# Altium PCB Tag201_GangProgrammerRev2.PcbDoc (part 6 of 7) (continued)
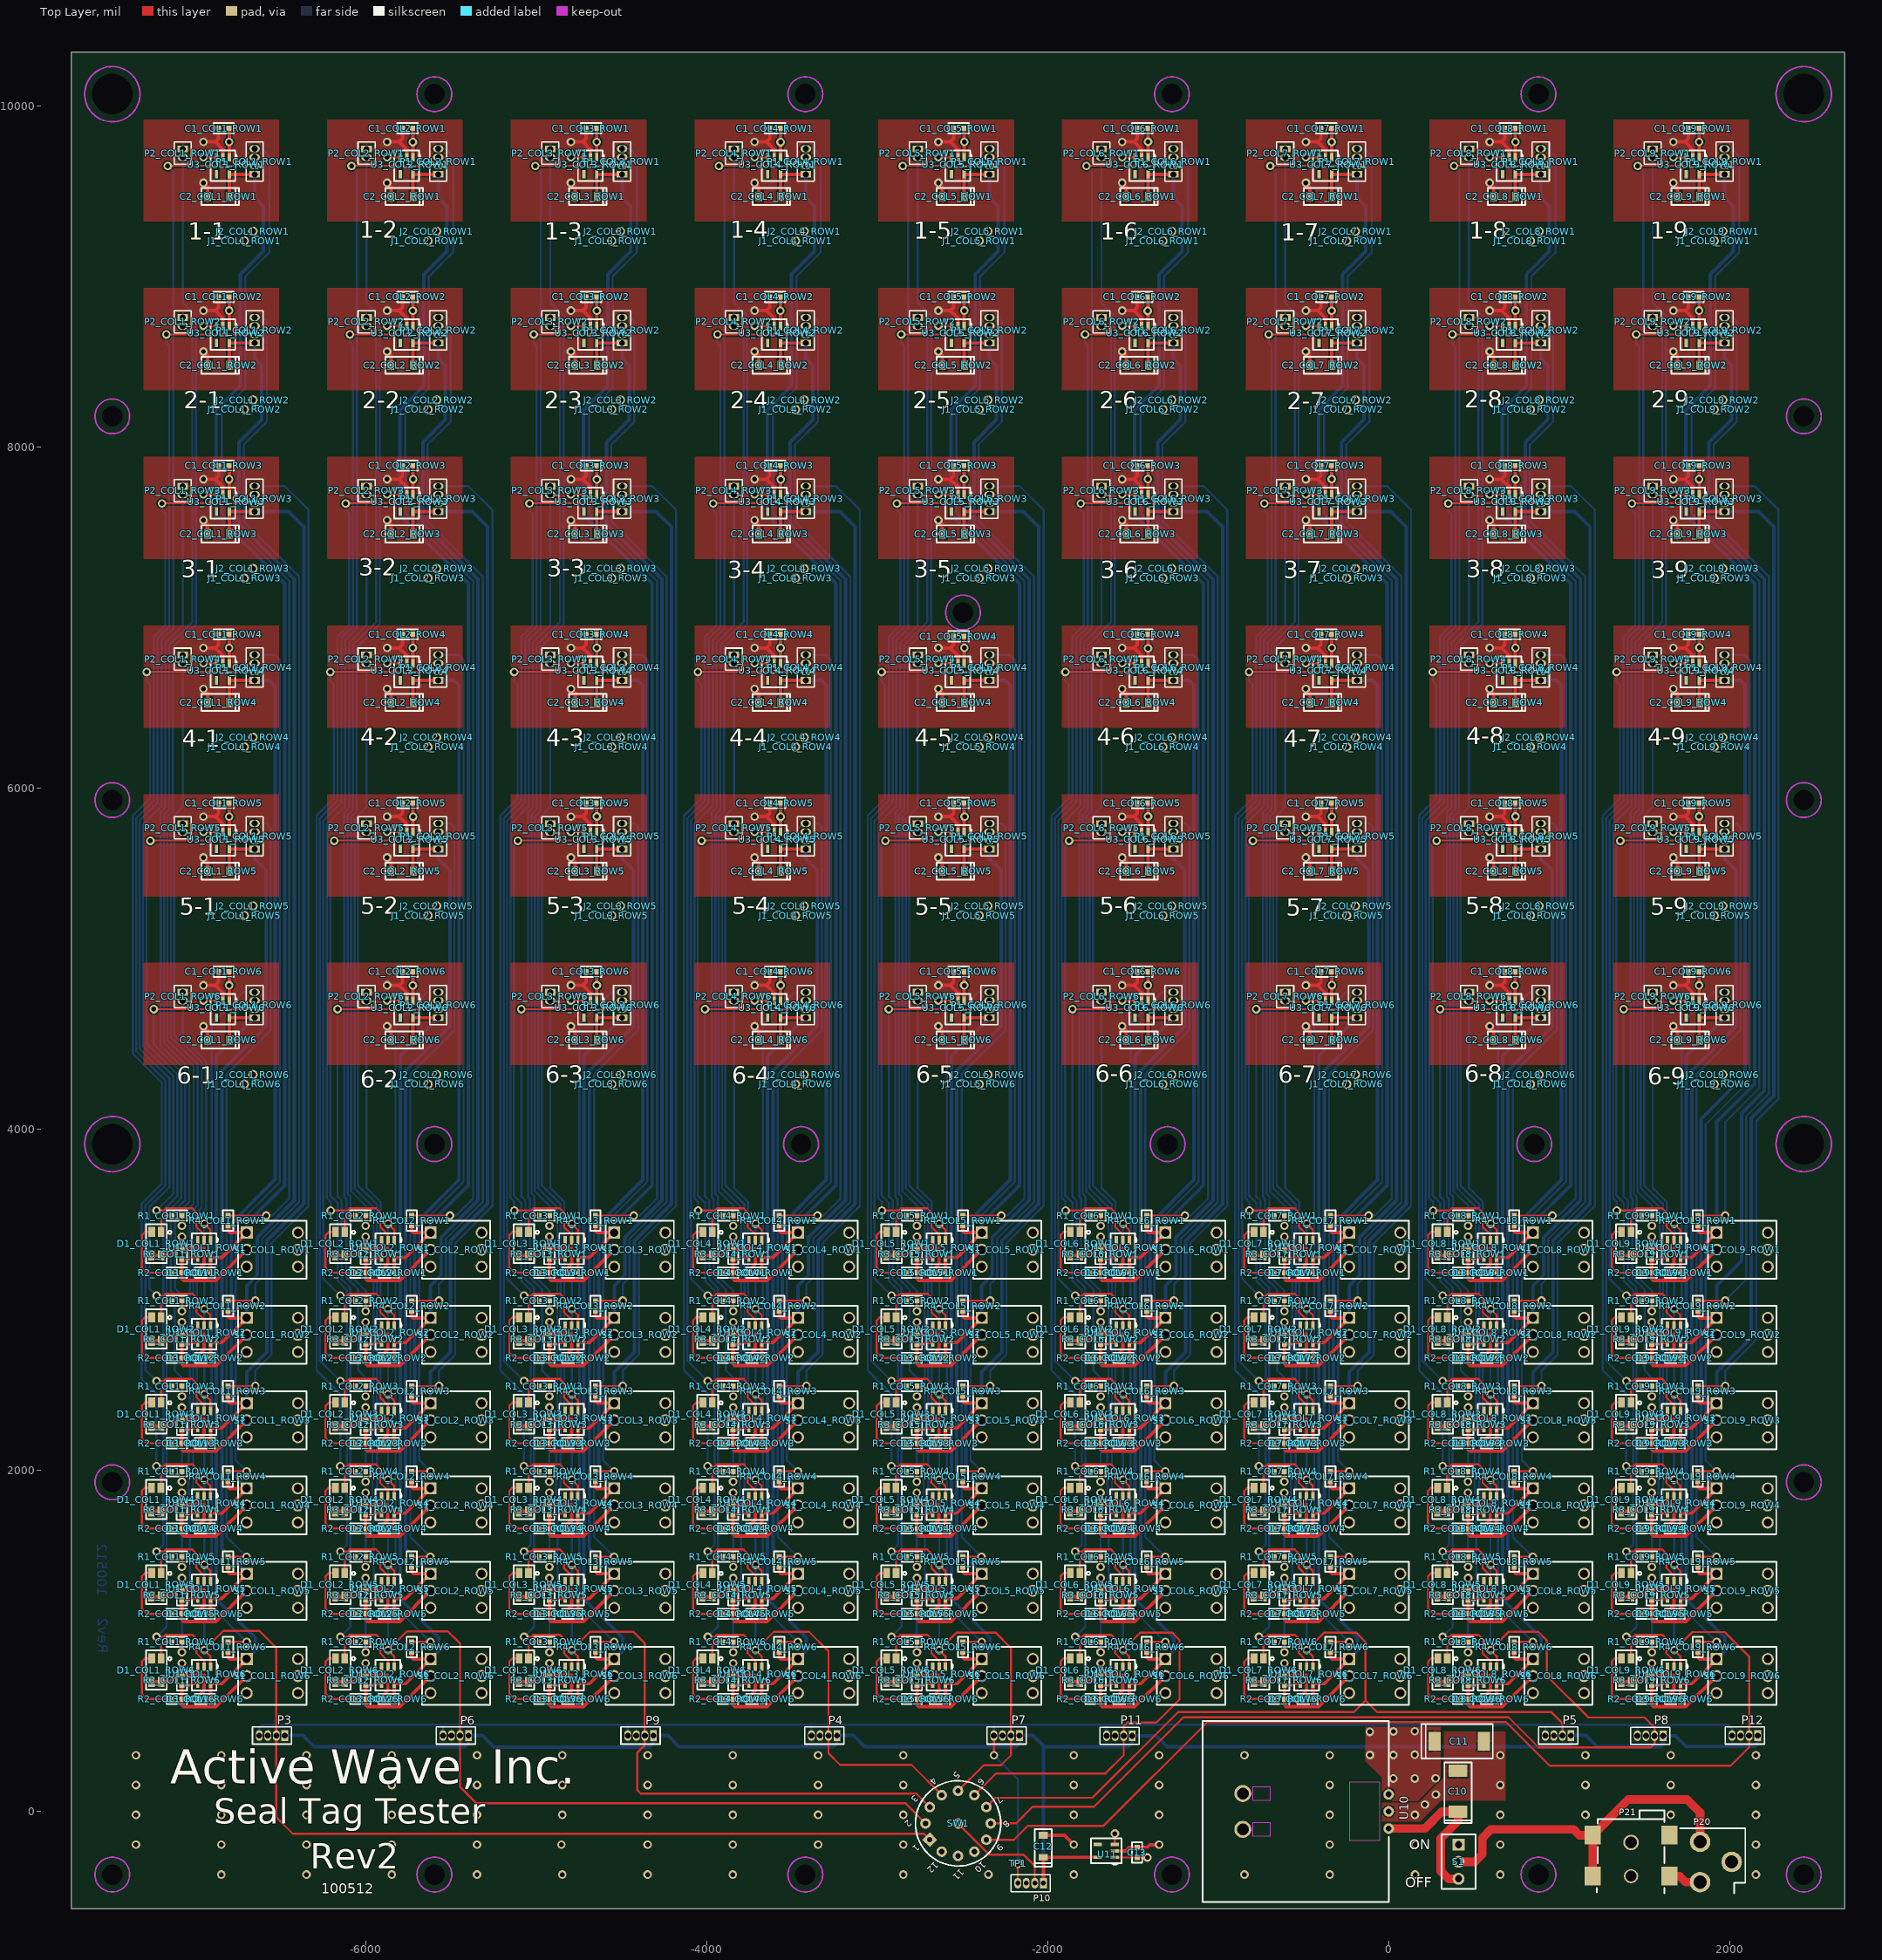
[diagram p0: Top Layer view]
## Nets (pads, with @x,y where several pads share a name; then routed paths per layer and width w, separated by ;. In a path a pad name is that pad's centre, name@x,y a point inside that pad or via, vN(x,y) a via of type N, cw(c..) or ccw(c..) an arc to the next point about the centre after c; other vN are vias at no path point) (continued)
  Top Layer w12: v1(-2766.5,2434) R1_COL5_ROW3.2@-2766.5,2494
  Bottom Layer w12: v1(-2766.5,2434) -2766.5,2543 -2809.5,2586 -2809.5,3061 -2880,3131.5 -2880,3592 -2891.5,3603.5 -2891.5,5858 -2863.5,5886 -2863.5,6853 -2761.5,6955 P2_COL5_ROW3.2@-2761.5,7720
TEST_COL5_ROW4: P2_COL5_ROW4.2 R1_COL5_ROW4.2 | length 4951.2
  Top Layer w12: v1(-2767,1934) R1_COL5_ROW4.2@-2767,1994
  Bottom Layer w12: v1(-2767,1934) -2767,2281.5 -2720.5,2328 -2720.5,3543 -2831.5,3654 -2831.5,5820 -2761.5,5890 P2_COL5_ROW4.2@-2761.5,6731
TEST_COL5_ROW5: P2_COL5_ROW5.2 R1_COL5_ROW5.2 | length 4462
  Top Layer w12: v1(-2766.5,1434) R1_COL5_ROW5.2@-2766.5,1494
  Bottom Layer w12: v1(-2766.5,1434) -2766.5,1802 -2727.5,1841 -2727.5,2282 -2700.5,2309 -2700.5,3560 -2811.5,3671 -2811.5,5692 P2_COL5_ROW5.2@-2761.5,5742
TEST_COL5_ROW6: P2_COL5_ROW6.2 R1_COL5_ROW6.2 | length 3949
  Top Layer w12: v1(-2766.5,934) R1_COL5_ROW6.2@-2766.5,994
  Bottom Layer w12: v1(-2766.5,934) -2766.5,1282 -2719.5,1329 -2719.5,1807 -2700.5,1826 -2700.5,2268 -2679.5,2289 -2679.5,3575 -2761.5,3657 P2_COL5_ROW6.2@-2761.5,4753
TEST_COL6_ROW1: P2_COL6_ROW1.2 R1_COL6_ROW1.2 | length 6461.1
  Top Layer w12: v1(-1689,3434) R1_COL6_ROW1.2@-1689,3494
  Bottom Layer w12: v1(-1689,3434) -1689,3551.5 -1774,3636.5 -1774,5833 -1742,5865 -1742,6825 -1606,6961 -1606,8769 -1684,8847 P2_COL6_ROW1.2@-1684,9698
TEST_COL6_ROW2: P2_COL6_ROW2.2 R1_COL6_ROW2.2 | length 5970.4
  Top Layer w12: v1(-1689,2934) R1_COL6_ROW2.2@-1689,2994
  Bottom Layer w12: v1(-1689,2934) -1689,3053.5 -1777.5,3142 -1777.5,3605 -1794,3621.5 -1794,5845 -1764,5875 -1764,6839 -1628,6975 -1628,8653 P2_COL6_ROW2.2@-1684,8709
TEST_COL6_ROW3: P2_COL6_ROW3.2 R1_COL6_ROW3.2 | length 5451.6
  Top Layer w12: v1(-1689,2434) R1_COL6_ROW3.2@-1689,2494
  Bottom Layer w12: v1(-1689,2434) -1689,2543 -1732,2586 -1732,3061 -1802.5,3131.5 -1802.5,3592 -1814,3603.5 -1814,5858 -1786,5886 -1786,6853 -1684,6955 P2_COL6_ROW3.2@-1684,7720
TEST_COL6_ROW4: P2_COL6_ROW4.2 R1_COL6_ROW4.2 | length 4951.2
  Top Layer w12: v1(-1689.5,1934) R1_COL6_ROW4.2@-1689.5,1994
  Bottom Layer w12: v1(-1689.5,1934) -1689.5,2281.5 -1643,2328 -1643,3543 -1754,3654 -1754,5820 -1684,5890 P2_COL6_ROW4.2@-1684,6731
TEST_COL6_ROW5: P2_COL6_ROW5.2 R1_COL6_ROW5.2 | length 4462
  Top Layer w12: v1(-1689,1434) R1_COL6_ROW5.2@-1689,1494
  Bottom Layer w12: v1(-1689,1434) -1689,1802 -1650,1841 -1650,2282 -1623,2309 -1623,3560 -1734,3671 -1734,5692 P2_COL6_ROW5.2@-1684,5742
TEST_COL6_ROW6: P2_COL6_ROW6.2 R1_COL6_ROW6.2 | length 3949
  Top Layer w12: v1(-1689,934) R1_COL6_ROW6.2@-1689,994
  Bottom Layer w12: v1(-1689,934) -1689,1282 -1642,1329 -1642,1807 -1623,1826 -1623,2268 -1602,2289 -1602,3575 -1684,3657 P2_COL6_ROW6.2@-1684,4753
TEST_COL7_ROW1: P2_COL7_ROW1.2 R1_COL7_ROW1.2 | length 6461.1
  Top Layer w12: v1(-611.5,3434) R1_COL7_ROW1.2@-611.5,3494
  Bottom Layer w12: v1(-611.5,3434) -611.5,3551.5 -696.5,3636.5 -696.5,5833 -664.5,5865 -664.5,6825 -528.5,6961 -528.5,8769 -606.5,8847 P2_COL7_ROW1.2@-606.5,9698
TEST_COL7_ROW2: P2_COL7_ROW2.2 R1_COL7_ROW2.2 | length 5970.4
  Top Layer w12: v1(-611.5,2934) R1_COL7_ROW2.2@-611.5,2994
  Bottom Layer w12: v1(-611.5,2934) -611.5,3053.5 -700,3142 -700,3605 -716.5,3621.5 -716.5,5845 -686.5,5875 -686.5,6839 -550.5,6975 -550.5,8653 P2_COL7_ROW2.2@-606.5,8709
TEST_COL7_ROW3: P2_COL7_ROW3.2 R1_COL7_ROW3.2 | length 5451.6
  Top Layer w12: v1(-611.5,2434) R1_COL7_ROW3.2@-611.5,2494
  Bottom Layer w12: v1(-611.5,2434) -611.5,2543 -654.5,2586 -654.5,3061 -725,3131.5 -725,3592 -736.5,3603.5 -736.5,5858 -708.5,5886 -708.5,6853 -606.5,6955 P2_COL7_ROW3.2@-606.5,7720
TEST_COL7_ROW4: P2_COL7_ROW4.2 R1_COL7_ROW4.2 | length 4951.2
  Top Layer w12: v1(-612,1934) R1_COL7_ROW4.2@-612,1994
  Bottom Layer w12: v1(-612,1934) -612,2281.5 -565.5,2328 -565.5,3543 -676.5,3654 -676.5,5820 -606.5,5890 P2_COL7_ROW4.2@-606.5,6731
TEST_COL7_ROW5: P2_COL7_ROW5.2 R1_COL7_ROW5.2 | length 4462
  Top Layer w12: v1(-611.5,1434) R1_COL7_ROW5.2@-611.5,1494
  Bottom Layer w12: v1(-611.5,1434) -611.5,1802 -572.5,1841 -572.5,2282 -545.5,2309 -545.5,3560 -656.5,3671 -656.5,5692 P2_COL7_ROW5.2@-606.5,5742
TEST_COL7_ROW6: P2_COL7_ROW6.2 R1_COL7_ROW6.2 | length 3949
  Top Layer w12: v1(-611.5,934) R1_COL7_ROW6.2@-611.5,994
  Bottom Layer w12: v1(-611.5,934) -611.5,1282 -564.5,1329 -564.5,1807 -545.5,1826 -545.5,2268 -524.5,2289 -524.5,3575 -606.5,3657 P2_COL7_ROW6.2@-606.5,4753
TEST_COL8_ROW1: P2_COL8_ROW1.2 R1_COL8_ROW1.2 | length 6461.1
  Top Layer w12: v1(466,3434) R1_COL8_ROW1.2@466,3494
  Bottom Layer w12: v1(466,3434) 466,3551.5 381,3636.5 381,5833 413,5865 413,6825 549,6961 549,8769 471,8847 P2_COL8_ROW1.2@471,9698
TEST_COL8_ROW2: P2_COL8_ROW2.2 R1_COL8_ROW2.2 | length 5970.4
  Top Layer w12: v1(466,2934) R1_COL8_ROW2.2@466,2994
  Bottom Layer w12: v1(466,2934) 466,3053.5 377.5,3142 377.5,3605 361,3621.5 361,5845 391,5875 391,6839 527,6975 527,8653 P2_COL8_ROW2.2@471,8709
TEST_COL8_ROW3: P2_COL8_ROW3.2 R1_COL8_ROW3.2 | length 5451.6
  Top Layer w12: v1(466,2434) R1_COL8_ROW3.2@466,2494
  Bottom Layer w12: v1(466,2434) 466,2543 423,2586 423,3061 352.5,3131.5 352.5,3592 341,3603.5 341,5858 369,5886 369,6853 471,6955 P2_COL8_ROW3.2@471,7720
TEST_COL8_ROW4: P2_COL8_ROW4.2 R1_COL8_ROW4.2 | length 4951.2
  Top Layer w12: v1(465.5,1934) R1_COL8_ROW4.2@465.5,1994
  Bottom Layer w12: v1(465.5,1934) 465.5,2281.5 512,2328 512,3543 401,3654 401,5820 471,5890 P2_COL8_ROW4.2@471,6731
TEST_COL8_ROW5: P2_COL8_ROW5.2 R1_COL8_ROW5.2 | length 4462
  Top Layer w12: v1(466,1434) R1_COL8_ROW5.2@466,1494
  Bottom Layer w12: v1(466,1434) 466,1802 505,1841 505,2282 532,2309 532,3560 421,3671 421,5692 P2_COL8_ROW5.2@471,5742
TEST_COL8_ROW6: P2_COL8_ROW6.2 R1_COL8_ROW6.2 | length 3949
  Top Layer w12: v1(466,934) R1_COL8_ROW6.2@466,994
  Bottom Layer w12: v1(466,934) 466,1282 513,1329 513,1807 532,1826 532,2268 553,2289 553,3575 471,3657 P2_COL8_ROW6.2@471,4753
TEST_COL9_ROW1: P2_COL9_ROW1.2 R1_COL9_ROW1.2 | length 6461.1
  Top Layer w12: v1(1543.5,3434) R1_COL9_ROW1.2@1543.5,3494
  Bottom Layer w12: v1(1543.5,3434) 1543.5,3551.5 1458.5,3636.5 1458.5,5833 1490.5,5865 1490.5,6825 1626.5,6961 1626.5,8769 1548.5,8847 P2_COL9_ROW1.2@1548.5,9698
TEST_COL9_ROW2: P2_COL9_ROW2.2 R1_COL9_ROW2.2 | length 5970.4
  Top Layer w12: v1(1543.5,2934) R1_COL9_ROW2.2@1543.5,2994
  Bottom Layer w12: v1(1543.5,2934) 1543.5,3053.5 1455,3142 1455,3605 1438.5,3621.5 1438.5,5845 1468.5,5875 1468.5,6839 1604.5,6975 1604.5,8653 P2_COL9_ROW2.2@1548.5,8709
TEST_COL9_ROW3: P2_COL9_ROW3.2 R1_COL9_ROW3.2 | length 5451.6
  Top Layer w12: v1(1543.5,2434) R1_COL9_ROW3.2@1543.5,2494
  Bottom Layer w12: v1(1543.5,2434) 1543.5,2543 1500.5,2586 1500.5,3061 1430,3131.5 1430,3592 1418.5,3603.5 1418.5,5858 1446.5,5886 1446.5,6853 1548.5,6955 P2_COL9_ROW3.2@1548.5,7720
TEST_COL9_ROW4: P2_COL9_ROW4.2 R1_COL9_ROW4.2 | length 4951.2
  Top Layer w12: v1(1543,1934) R1_COL9_ROW4.2@1543,1994
  Bottom Layer w12: v1(1543,1934) 1543,2281.5 1589.5,2328 1589.5,3543 1478.5,3654 1478.5,5820 1548.5,5890 P2_COL9_ROW4.2@1548.5,6731
TEST_COL9_ROW5: P2_COL9_ROW5.2 R1_COL9_ROW5.2 | length 4462
  Top Layer w12: v1(1543.5,1434) R1_COL9_ROW5.2@1543.5,1494
  Bottom Layer w12: v1(1543.5,1434) 1543.5,1802 1582.5,1841 1582.5,2282 1609.5,2309 1609.5,3560 1498.5,3671 1498.5,5692 P2_COL9_ROW5.2@1548.5,5742
TEST_COL9_ROW6: P2_COL9_ROW6.2 R1_COL9_ROW6.2 | length 3949
  Top Layer w12: v1(1543.5,934) R1_COL9_ROW6.2@1543.5,994
  Bottom Layer w12: v1(1543.5,934) 1543.5,1282 1590.5,1329 1590.5,1807 1609.5,1826 1609.5,2268 1630.5,2289 1630.5,3575 1548.5,3657 P2_COL9_ROW6.2@1548.5,4753
VCC: P20.1 P21.1 S1.2 | length 2094.7
  Top Layer w50: S1.2@410,-295 505,-295 550,-250 550,-155 600,-105 1085,-105 1119,-139 P21.1@1196.5,-139 ; P21.1@1196.5,-379 P21.1@1196.5,-139 ; P20.1@1826.5,-178 1826.5,-6.5 1750,70 1405.5,70 P21.1@1196.5,-139
VCC_COL1_ROW1: C2_COL1_ROW1.1 C3_COL1_ROW1.1 P1_COL1_ROW1.1 R4_COL1_ROW1.2 S1_COL1_ROW1.1 U1_COL1_ROW1.5 U3_COL1_ROW1.5 | length 7386.6
  Top Layer w20: C3_COL1_ROW1.1@-6911.5,3159 -6911.5,3189 -6909,3191.5 U1_COL1_ROW1.5@-6909,3249 -6841.5,3249 S1_COL1_ROW1.1@-6696.5,3394 -6796.5,3394 -6806.5,3404 R4_COL1_ROW1.2@-6806.5,3434 ; C2_COL1_ROW1.1@-6796.5,9469 -6799,9471.5 U3_COL1_ROW1.5@-6799,9599 P1_COL1_ROW1.1@-6650.5,9599
  Bottom Layer w20: S1_COL1_ROW1.1@-6696.5,3394 -6696.5,3449.5 -6474.5,3671.5 -6474.5,7199 -6876.5,7601 -6876.5,8217 -6734.5,8359 -6734.5,9013 -6599.5,9148 -6599.5,9412 -6650.5,9463 P1_COL1_ROW1.1@-6650.5,9599
VCC_COL1_ROW2: C2_COL1_ROW2.1 C3_COL1_ROW2.1 P1_COL1_ROW2.1 R4_COL1_ROW2.2 S1_COL1_ROW2.1 U1_COL1_ROW2.5 U3_COL1_ROW2.5 | length 6824.7
  Top Layer w20: C3_COL1_ROW2.1@-6911.5,2659 -6911.5,2689 -6909,2691.5 U1_COL1_ROW2.5@-6909,2749 -6841.5,2749 S1_COL1_ROW2.1@-6696.5,2894 -6796.5,2894 -6806.5,2904 R4_COL1_ROW2.2@-6806.5,2934 ; C2_COL1_ROW2.1@-6796.5,8480 -6799,8482.5 U3_COL1_ROW2.5@-6799,8610 P1_COL1_ROW2.1@-6650.5,8610
  Bottom Layer w20: S1_COL1_ROW2.1@-6696.5,2894 -6696.5,3083 -6634.5,3145 -6634.5,3367 -6417.5,3584 -6417.5,7226 -6741.5,7550 -6741.5,8028 -6609.5,8160 -6609.5,8479 -6650.5,8520 P1_COL1_ROW2.1@-6650.5,8610
VCC_COL1_ROW3: C2_COL1_ROW3.1 C3_COL1_ROW3.1 P1_COL1_ROW3.1 R4_COL1_ROW3.2 S1_COL1_ROW3.1 U1_COL1_ROW3.5 U3_COL1_ROW3.5 | length 6389.3
  Top Layer w20: C3_COL1_ROW3.1@-6911.5,2159 -6911.5,2189 -6909,2191.5 U1_COL1_ROW3.5@-6909,2249 -6841.5,2249 S1_COL1_ROW3.1@-6696.5,2394 -6796.5,2394 -6806.5,2404 R4_COL1_ROW3.2@-6806.5,2434 ; C2_COL1_ROW3.1@-6796.5,7491 -6799,7493.5 U3_COL1_ROW3.5@-6799,7621 P1_COL1_ROW3.1@-6650.5,7621
  Bottom Layer w20: S1_COL1_ROW3.1@-6696.5,2394 -6696.5,2576 -6578.5,2694 -6578.5,3346 -6361.5,3563 -6361.5,7531 -6451.5,7621 P1_COL1_ROW3.1@-6650.5,7621
VCC_COL1_ROW4: C2_COL1_ROW4.1 C3_COL1_ROW4.1 P1_COL1_ROW4.1 R4_COL1_ROW4.2 S1_COL1_ROW4.1 U1_COL1_ROW4.5 U3_COL1_ROW4.5 | length 5768.7
  Top Layer w20: C3_COL1_ROW4.1@-6912,1659 -6912,1689 -6909.5,1691.5 U1_COL1_ROW4.5@-6909.5,1749 -6842,1749 S1_COL1_ROW4.1@-6697,1894 -6797,1894 -6807,1904 R4_COL1_ROW4.2@-6807,1934 ; C2_COL1_ROW4.1@-6796.5,6502 -6799,6504.5 U3_COL1_ROW4.5@-6799,6632 P1_COL1_ROW4.1@-6650.5,6632
  Bottom Layer w20: S1_COL1_ROW4.1@-6697,1894 -6787,1984 -6787,3449 -6529,3707 -6529,6594 -6567,6632 P1_COL1_ROW4.1@-6650.5,6632
VCC_COL1_ROW5: C2_COL1_ROW5.1 C3_COL1_ROW5.1 P1_COL1_ROW5.1 R4_COL1_ROW5.2 S1_COL1_ROW5.1 U1_COL1_ROW5.5 U3_COL1_ROW5.5 | length 5232.6
  Top Layer w20: C3_COL1_ROW5.1@-6911.5,1159 -6911.5,1189 -6909,1191.5 U1_COL1_ROW5.5@-6909,1249 -6841.5,1249 S1_COL1_ROW5.1@-6696.5,1394 -6796.5,1394 -6806.5,1404 R4_COL1_ROW5.2@-6806.5,1434 ; C2_COL1_ROW5.1@-6796.5,5513 -6799,5515.5 U3_COL1_ROW5.5@-6799,5643 P1_COL1_ROW5.1@-6650.5,5643
  Bottom Layer w20: S1_COL1_ROW5.1@-6696.5,1394 -6842.5,1540 -6842.5,4343 -6582.5,4603 -6582.5,5519 -6650.5,5587 P1_COL1_ROW5.1@-6650.5,5643
VCC_COL1_ROW6: C2_COL1_ROW6.1 C3_COL1_ROW6.1 P1_COL1_ROW6.1 R4_COL1_ROW6.2 S1_COL1_ROW6.1 U1_COL1_ROW6.5 U3_COL1_ROW6.5 | length 4754.4
  Top Layer w20: C3_COL1_ROW6.1@-6911.5,659 -6911.5,689 -6909,691.5 U1_COL1_ROW6.5@-6909,749 -6841.5,749 S1_COL1_ROW6.1@-6696.5,894 -6796.5,894 -6806.5,904 R4_COL1_ROW6.2@-6806.5,934 ; C2_COL1_ROW6.1@-6796.5,4524 -6799,4526.5 U3_COL1_ROW6.5@-6799,4654 P1_COL1_ROW6.1@-6650.5,4654
  Bottom Layer w20: S1_COL1_ROW6.1@-6696.5,894 -6647.5,943 -6647.5,1018 -6874.5,1245 -6874.5,4430 P1_COL1_ROW6.1@-6650.5,4654
VCC_COL2_ROW1: C2_COL2_ROW1.1 C3_COL2_ROW1.1 P1_COL2_ROW1.1 R4_COL2_ROW1.2 S1_COL2_ROW1.1 U1_COL2_ROW1.5 U3_COL2_ROW1.5 | length 7386.6
  Top Layer w20: C3_COL2_ROW1.1@-5834,3159 -5834,3189 -5831.5,3191.5 U1_COL2_ROW1.5@-5831.5,3249 -5764,3249 S1_COL2_ROW1.1@-5619,3394 -5719,3394 -5729,3404 R4_COL2_ROW1.2@-5729,3434 ; C2_COL2_ROW1.1@-5719,9469 -5721.5,9471.5 U3_COL2_ROW1.5@-5721.5,9599 P1_COL2_ROW1.1@-5573,9599
  Bottom Layer w20: S1_COL2_ROW1.1@-5619,3394 -5619,3449.5 -5397,3671.5 -5397,7199 -5799,7601 -5799,8217 -5657,8359 -5657,9013 -5522,9148 -5522,9412 -5573,9463 P1_COL2_ROW1.1@-5573,9599
VCC_COL2_ROW2: C2_COL2_ROW2.1 C3_COL2_ROW2.1 P1_COL2_ROW2.1 R4_COL2_ROW2.2 S1_COL2_ROW2.1 U1_COL2_ROW2.5 U3_COL2_ROW2.5 | length 6824.7
  Top Layer w20: C3_COL2_ROW2.1@-5834,2659 -5834,2689 -5831.5,2691.5 U1_COL2_ROW2.5@-5831.5,2749 -5764,2749 S1_COL2_ROW2.1@-5619,2894 -5719,2894 -5729,2904 R4_COL2_ROW2.2@-5729,2934 ; C2_COL2_ROW2.1@-5719,8480 -5721.5,8482.5 U3_COL2_ROW2.5@-5721.5,8610 P1_COL2_ROW2.1@-5573,8610
  Bottom Layer w20: S1_COL2_ROW2.1@-5619,2894 -5619,3083 -5557,3145 -5557,3367 -5340,3584 -5340,7226 -5664,7550 -5664,8028 -5532,8160 -5532,8479 -5573,8520 P1_COL2_ROW2.1@-5573,8610
VCC_COL2_ROW3: C2_COL2_ROW3.1 C3_COL2_ROW3.1 P1_COL2_ROW3.1 R4_COL2_ROW3.2 S1_COL2_ROW3.1 U1_COL2_ROW3.5 U3_COL2_ROW3.5 | length 6389.3
  Top Layer w20: C3_COL2_ROW3.1@-5834,2159 -5834,2189 -5831.5,2191.5 U1_COL2_ROW3.5@-5831.5,2249 -5764,2249 S1_COL2_ROW3.1@-5619,2394 -5719,2394 -5729,2404 R4_COL2_ROW3.2@-5729,2434 ; C2_COL2_ROW3.1@-5719,7491 -5721.5,7493.5 U3_COL2_ROW3.5@-5721.5,7621 P1_COL2_ROW3.1@-5573,7621
  Bottom Layer w20: S1_COL2_ROW3.1@-5619,2394 -5619,2576 -5501,2694 -5501,3346 -5284,3563 -5284,7531 -5374,7621 P1_COL2_ROW3.1@-5573,7621
VCC_COL2_ROW4: C2_COL2_ROW4.1 C3_COL2_ROW4.1 P1_COL2_ROW4.1 R4_COL2_ROW4.2 S1_COL2_ROW4.1 U1_COL2_ROW4.5 U3_COL2_ROW4.5 | length 5774.5
  Top Layer w20: C3_COL2_ROW4.1@-5834.5,1659 -5834.5,1689 -5832,1691.5 U1_COL2_ROW4.5@-5832,1749 -5764.5,1749 S1_COL2_ROW4.1@-5619.5,1894 -5719.5,1894 -5729.5,1904 R4_COL2_ROW4.2@-5729.5,1934 ; C2_COL2_ROW4.1@-5719,6502 -5721.5,6504.5 U3_COL2_ROW4.5@-5721.5,6632 P1_COL2_ROW4.1@-5573,6632
  Bottom Layer w20: S1_COL2_ROW4.1@-5619.5,1894 -5711,1985.5 -5711,3444 -5452,3703 -5452,6603 -5481,6632 P1_COL2_ROW4.1@-5573,6632
VCC_COL2_ROW5: C2_COL2_ROW5.1 C3_COL2_ROW5.1 P1_COL2_ROW5.1 R4_COL2_ROW5.2 S1_COL2_ROW5.1 U1_COL2_ROW5.5 U3_COL2_ROW5.5 | length 5232.6
  Top Layer w20: C3_COL2_ROW5.1@-5834,1159 -5834,1189 -5831.5,1191.5 U1_COL2_ROW5.5@-5831.5,1249 -5764,1249 S1_COL2_ROW5.1@-5619,1394 -5719,1394 -5729,1404 R4_COL2_ROW5.2@-5729,1434 ; C2_COL2_ROW5.1@-5719,5513 -5721.5,5515.5 U3_COL2_ROW5.5@-5721.5,5643 P1_COL2_ROW5.1@-5573,5643
  Bottom Layer w20: S1_COL2_ROW5.1@-5619,1394 -5765,1540 -5765,4343 -5505,4603 -5505,5519 -5573,5587 P1_COL2_ROW5.1@-5573,5643
VCC_COL2_ROW6: C2_COL2_ROW6.1 C3_COL2_ROW6.1 P1_COL2_ROW6.1 R4_COL2_ROW6.2 S1_COL2_ROW6.1 U1_COL2_ROW6.5 U3_COL2_ROW6.5 | length 4754.4
  Top Layer w20: C3_COL2_ROW6.1@-5834,659 -5834,689 -5831.5,691.5 U1_COL2_ROW6.5@-5831.5,749 -5764,749 S1_COL2_ROW6.1@-5619,894 -5719,894 -5729,904 R4_COL2_ROW6.2@-5729,934 ; C2_COL2_ROW6.1@-5719,4524 -5721.5,4526.5 U3_COL2_ROW6.5@-5721.5,4654 P1_COL2_ROW6.1@-5573,4654
  Bottom Layer w20: S1_COL2_ROW6.1@-5619,894 -5570,943 -5570,1018 -5797,1245 -5797,4430 P1_COL2_ROW6.1@-5573,4654
VCC_COL3_ROW1: C2_COL3_ROW1.1 C3_COL3_ROW1.1 P1_COL3_ROW1.1 R4_COL3_ROW1.2 S1_COL3_ROW1.1 U1_COL3_ROW1.5 U3_COL3_ROW1.5 | length 7386.6
  Top Layer w20: C3_COL3_ROW1.1@-4756.5,3159 -4756.5,3189 -4754,3191.5 U1_COL3_ROW1.5@-4754,3249 -4686.5,3249 S1_COL3_ROW1.1@-4541.5,3394 -4641.5,3394 -4651.5,3404 R4_COL3_ROW1.2@-4651.5,3434 ; C2_COL3_ROW1.1@-4641.5,9469 -4644,9471.5 U3_COL3_ROW1.5@-4644,9599 P1_COL3_ROW1.1@-4495.5,9599
  Bottom Layer w20: S1_COL3_ROW1.1@-4541.5,3394 -4541.5,3449.5 -4319.5,3671.5 -4319.5,7199 -4721.5,7601 -4721.5,8217 -4579.5,8359 -4579.5,9013 -4444.5,9148 -4444.5,9412 -4495.5,9463 P1_COL3_ROW1.1@-4495.5,9599
VCC_COL3_ROW2: C2_COL3_ROW2.1 C3_COL3_ROW2.1 P1_COL3_ROW2.1 R4_COL3_ROW2.2 S1_COL3_ROW2.1 U1_COL3_ROW2.5 U3_COL3_ROW2.5 | length 6824.7
  Top Layer w20: C3_COL3_ROW2.1@-4756.5,2659 -4756.5,2689 -4754,2691.5 U1_COL3_ROW2.5@-4754,2749 -4686.5,2749 S1_COL3_ROW2.1@-4541.5,2894 -4641.5,2894 -4651.5,2904 R4_COL3_ROW2.2@-4651.5,2934 ; C2_COL3_ROW2.1@-4641.5,8480 -4644,8482.5 U3_COL3_ROW2.5@-4644,8610 P1_COL3_ROW2.1@-4495.5,8610
  Bottom Layer w20: S1_COL3_ROW2.1@-4541.5,2894 -4541.5,3083 -4479.5,3145 -4479.5,3367 -4262.5,3584 -4262.5,7226 -4586.5,7550 -4586.5,8028 -4454.5,8160 -4454.5,8479 -4495.5,8520 P1_COL3_ROW2.1@-4495.5,8610
VCC_COL3_ROW3: C2_COL3_ROW3.1 C3_COL3_ROW3.1 P1_COL3_ROW3.1 R4_COL3_ROW3.2 S1_COL3_ROW3.1 U1_COL3_ROW3.5 U3_COL3_ROW3.5 | length 6389.3
  Top Layer w20: C3_COL3_ROW3.1@-4756.5,2159 -4756.5,2189 -4754,2191.5 U1_COL3_ROW3.5@-4754,2249 -4686.5,2249 S1_COL3_ROW3.1@-4541.5,2394 -4641.5,2394 -4651.5,2404 R4_COL3_ROW3.2@-4651.5,2434 ; C2_COL3_ROW3.1@-4641.5,7491 -4644,7493.5 U3_COL3_ROW3.5@-4644,7621 P1_COL3_ROW3.1@-4495.5,7621
  Bottom Layer w20: S1_COL3_ROW3.1@-4541.5,2394 -4541.5,2576 -4423.5,2694 -4423.5,3346 -4206.5,3563 -4206.5,7531 -4296.5,7621 P1_COL3_ROW3.1@-4495.5,7621
VCC_COL3_ROW4: C2_COL3_ROW4.1 C3_COL3_ROW4.1 P1_COL3_ROW4.1 R4_COL3_ROW4.2 S1_COL3_ROW4.1 U1_COL3_ROW4.5 U3_COL3_ROW4.5 | length 5774.5
  Top Layer w20: C3_COL3_ROW4.1@-4757,1659 -4757,1689 -4754.5,1691.5 U1_COL3_ROW4.5@-4754.5,1749 -4687,1749 S1_COL3_ROW4.1@-4542,1894 -4642,1894 -4652,1904 R4_COL3_ROW4.2@-4652,1934 ; C2_COL3_ROW4.1@-4641.5,6502 -4644,6504.5 U3_COL3_ROW4.5@-4644,6632 P1_COL3_ROW4.1@-4495.5,6632
  Bottom Layer w20: S1_COL3_ROW4.1@-4542,1894 -4633.5,1985.5 -4633.5,3444 -4374.5,3703 -4374.5,6603 -4403.5,6632 P1_COL3_ROW4.1@-4495.5,6632
VCC_COL3_ROW5: C2_COL3_ROW5.1 C3_COL3_ROW5.1 P1_COL3_ROW5.1 R4_COL3_ROW5.2 S1_COL3_ROW5.1 U1_COL3_ROW5.5 U3_COL3_ROW5.5 | length 5232.6
  Top Layer w20: C3_COL3_ROW5.1@-4756.5,1159 -4756.5,1189 -4754,1191.5 U1_COL3_ROW5.5@-4754,1249 -4686.5,1249 S1_COL3_ROW5.1@-4541.5,1394 -4641.5,1394 -4651.5,1404 R4_COL3_ROW5.2@-4651.5,1434 ; C2_COL3_ROW5.1@-4641.5,5513 -4644,5515.5 U3_COL3_ROW5.5@-4644,5643 P1_COL3_ROW5.1@-4495.5,5643
  Bottom Layer w20: S1_COL3_ROW5.1@-4541.5,1394 -4687.5,1540 -4687.5,4343 -4427.5,4603 -4427.5,5519 -4495.5,5587 P1_COL3_ROW5.1@-4495.5,5643
VCC_COL3_ROW6: C2_COL3_ROW6.1 C3_COL3_ROW6.1 P1_COL3_ROW6.1 R4_COL3_ROW6.2 S1_COL3_ROW6.1 U1_COL3_ROW6.5 U3_COL3_ROW6.5 | length 4754.4
  Top Layer w20: C3_COL3_ROW6.1@-4756.5,659 -4756.5,689 -4754,691.5 U1_COL3_ROW6.5@-4754,749 -4686.5,749 S1_COL3_ROW6.1@-4541.5,894 -4641.5,894 -4651.5,904 R4_COL3_ROW6.2@-4651.5,934 ; C2_COL3_ROW6.1@-4641.5,4524 -4644,4526.5 U3_COL3_ROW6.5@-4644,4654 P1_COL3_ROW6.1@-4495.5,4654
  Bottom Layer w20: S1_COL3_ROW6.1@-4541.5,894 -4492.5,943 -4492.5,1018 -4719.5,1245 -4719.5,4430 P1_COL3_ROW6.1@-4495.5,4654
VCC_COL4_ROW1: C2_COL4_ROW1.1 C3_COL4_ROW1.1 P1_COL4_ROW1.1 R4_COL4_ROW1.2 S1_COL4_ROW1.1 U1_COL4_ROW1.5 U3_COL4_ROW1.5 | length 7386.6
  Top Layer w20: C3_COL4_ROW1.1@-3679,3159 -3679,3189 -3676.5,3191.5 U1_COL4_ROW1.5@-3676.5,3249 -3609,3249 S1_COL4_ROW1.1@-3464,3394 -3564,3394 -3574,3404 R4_COL4_ROW1.2@-3574,3434 ; C2_COL4_ROW1.1@-3564,9469 -3566.5,9471.5 U3_COL4_ROW1.5@-3566.5,9599 P1_COL4_ROW1.1@-3418,9599
  Bottom Layer w20: S1_COL4_ROW1.1@-3464,3394 -3464,3449.5 -3242,3671.5 -3242,7199 -3644,7601 -3644,8217 -3502,8359 -3502,9013 -3367,9148 -3367,9412 -3418,9463 P1_COL4_ROW1.1@-3418,9599
VCC_COL4_ROW2: C2_COL4_ROW2.1 C3_COL4_ROW2.1 P1_COL4_ROW2.1 R4_COL4_ROW2.2 S1_COL4_ROW2.1 U1_COL4_ROW2.5 U3_COL4_ROW2.5 | length 6824.7
  Top Layer w20: C3_COL4_ROW2.1@-3679,2659 -3679,2689 -3676.5,2691.5 U1_COL4_ROW2.5@-3676.5,2749 -3609,2749 S1_COL4_ROW2.1@-3464,2894 -3564,2894 -3574,2904 R4_COL4_ROW2.2@-3574,2934 ; C2_COL4_ROW2.1@-3564,8480 -3566.5,8482.5 U3_COL4_ROW2.5@-3566.5,8610 P1_COL4_ROW2.1@-3418,8610
  Bottom Layer w20: S1_COL4_ROW2.1@-3464,2894 -3464,3083 -3402,3145 -3402,3367 -3185,3584 -3185,7226 -3509,7550 -3509,8028 -3377,8160 -3377,8479 -3418,8520 P1_COL4_ROW2.1@-3418,8610
VCC_COL4_ROW3: C2_COL4_ROW3.1 C3_COL4_ROW3.1 P1_COL4_ROW3.1 R4_COL4_ROW3.2 S1_COL4_ROW3.1 U1_COL4_ROW3.5 U3_COL4_ROW3.5 | length 6389.3
  Top Layer w20: C3_COL4_ROW3.1@-3679,2159 -3679,2189 -3676.5,2191.5 U1_COL4_ROW3.5@-3676.5,2249 -3609,2249 S1_COL4_ROW3.1@-3464,2394 -3564,2394 -3574,2404 R4_COL4_ROW3.2@-3574,2434 ; C2_COL4_ROW3.1@-3564,7491 -3566.5,7493.5 U3_COL4_ROW3.5@-3566.5,7621 P1_COL4_ROW3.1@-3418,7621
  Bottom Layer w20: S1_COL4_ROW3.1@-3464,2394 -3464,2576 -3346,2694 -3346,3346 -3129,3563 -3129,7531 -3219,7621 P1_COL4_ROW3.1@-3418,7621
VCC_COL4_ROW4: C2_COL4_ROW4.1 C3_COL4_ROW4.1 P1_COL4_ROW4.1 R4_COL4_ROW4.2 S1_COL4_ROW4.1 U1_COL4_ROW4.5 U3_COL4_ROW4.5 | length 5774.5
  Top Layer w20: C3_COL4_ROW4.1@-3679.5,1659 -3679.5,1689 -3677,1691.5 U1_COL4_ROW4.5@-3677,1749 -3609.5,1749 S1_COL4_ROW4.1@-3464.5,1894 -3564.5,1894 -3574.5,1904 R4_COL4_ROW4.2@-3574.5,1934 ; C2_COL4_ROW4.1@-3564,6502 -3566.5,6504.5 U3_COL4_ROW4.5@-3566.5,6632 P1_COL4_ROW4.1@-3418,6632
  Bottom Layer w20: S1_COL4_ROW4.1@-3464.5,1894 -3556,1985.5 -3556,3444 -3297,3703 -3297,6603 -3326,6632 P1_COL4_ROW4.1@-3418,6632
VCC_COL4_ROW5: C2_COL4_ROW5.1 C3_COL4_ROW5.1 P1_COL4_ROW5.1 R4_COL4_ROW5.2 S1_COL4_ROW5.1 U1_COL4_ROW5.5 U3_COL4_ROW5.5 | length 5232.6
  Top Layer w20: C3_COL4_ROW5.1@-3679,1159 -3679,1189 -3676.5,1191.5 U1_COL4_ROW5.5@-3676.5,1249 -3609,1249 S1_COL4_ROW5.1@-3464,1394 -3564,1394 -3574,1404 R4_COL4_ROW5.2@-3574,1434 ; C2_COL4_ROW5.1@-3564,5513 -3566.5,5515.5 U3_COL4_ROW5.5@-3566.5,5643 P1_COL4_ROW5.1@-3418,5643
  Bottom Layer w20: S1_COL4_ROW5.1@-3464,1394 -3610,1540 -3610,4343 -3350,4603 -3350,5519 -3418,5587 P1_COL4_ROW5.1@-3418,5643
VCC_COL4_ROW6: C2_COL4_ROW6.1 C3_COL4_ROW6.1 P1_COL4_ROW6.1 R4_COL4_ROW6.2 S1_COL4_ROW6.1 U1_COL4_ROW6.5 U3_COL4_ROW6.5 | length 4754.4
  Top Layer w20: C3_COL4_ROW6.1@-3679,659 -3679,689 -3676.5,691.5 U1_COL4_ROW6.5@-3676.5,749 -3609,749 S1_COL4_ROW6.1@-3464,894 -3564,894 -3574,904 R4_COL4_ROW6.2@-3574,934 ; C2_COL4_ROW6.1@-3564,4524 -3566.5,4526.5 U3_COL4_ROW6.5@-3566.5,4654 P1_COL4_ROW6.1@-3418,4654
  Bottom Layer w20: S1_COL4_ROW6.1@-3464,894 -3415,943 -3415,1018 -3642,1245 -3642,4430 P1_COL4_ROW6.1@-3418,4654
VCC_COL5_ROW1: C2_COL5_ROW1.1 C3_COL5_ROW1.1 P1_COL5_ROW1.1 R4_COL5_ROW1.2 S1_COL5_ROW1.1 U1_COL5_ROW1.5 U3_COL5_ROW1.5 | length 7386.6
  Top Layer w20: C3_COL5_ROW1.1@-2601.5,3159 -2601.5,3189 -2599,3191.5 U1_COL5_ROW1.5@-2599,3249 -2531.5,3249 S1_COL5_ROW1.1@-2386.5,3394 -2486.5,3394 -2496.5,3404 R4_COL5_ROW1.2@-2496.5,3434 ; C2_COL5_ROW1.1@-2486.5,9469 -2489,9471.5 U3_COL5_ROW1.5@-2489,9599 P1_COL5_ROW1.1@-2340.5,9599
  Bottom Layer w20: S1_COL5_ROW1.1@-2386.5,3394 -2386.5,3449.5 -2164.5,3671.5 -2164.5,7199 -2566.5,7601 -2566.5,8217 -2424.5,8359 -2424.5,9013 -2289.5,9148 -2289.5,9412 -2340.5,9463 P1_COL5_ROW1.1@-2340.5,9599
VCC_COL5_ROW2: C2_COL5_ROW2.1 C3_COL5_ROW2.1 P1_COL5_ROW2.1 R4_COL5_ROW2.2 S1_COL5_ROW2.1 U1_COL5_ROW2.5 U3_COL5_ROW2.5 | length 6824.7
  Top Layer w20: C3_COL5_ROW2.1@-2601.5,2659 -2601.5,2689 -2599,2691.5 U1_COL5_ROW2.5@-2599,2749 -2531.5,2749 S1_COL5_ROW2.1@-2386.5,2894 -2486.5,2894 -2496.5,2904 R4_COL5_ROW2.2@-2496.5,2934 ; C2_COL5_ROW2.1@-2486.5,8480 -2489,8482.5 U3_COL5_ROW2.5@-2489,8610 P1_COL5_ROW2.1@-2340.5,8610
  Bottom Layer w20: S1_COL5_ROW2.1@-2386.5,2894 -2386.5,3083 -2324.5,3145 -2324.5,3367 -2107.5,3584 -2107.5,7226 -2431.5,7550 -2431.5,8028 -2299.5,8160 -2299.5,8479 -2340.5,8520 P1_COL5_ROW2.1@-2340.5,8610
VCC_COL5_ROW3: C2_COL5_ROW3.1 C3_COL5_ROW3.1 P1_COL5_ROW3.1 R4_COL5_ROW3.2 S1_COL5_ROW3.1 U1_COL5_ROW3.5 U3_COL5_ROW3.5 | length 6389.3
  Top Layer w20: C3_COL5_ROW3.1@-2601.5,2159 -2601.5,2189 -2599,2191.5 U1_COL5_ROW3.5@-2599,2249 -2531.5,2249 S1_COL5_ROW3.1@-2386.5,2394 -2486.5,2394 -2496.5,2404 R4_COL5_ROW3.2@-2496.5,2434 ; C2_COL5_ROW3.1@-2486.5,7491 -2489,7493.5 U3_COL5_ROW3.5@-2489,7621 P1_COL5_ROW3.1@-2340.5,7621
  Bottom Layer w20: S1_COL5_ROW3.1@-2386.5,2394 -2386.5,2576 -2268.5,2694 -2268.5,3346 -2051.5,3563 -2051.5,7531 -2141.5,7621 P1_COL5_ROW3.1@-2340.5,7621
VCC_COL5_ROW4: C2_COL5_ROW4.1 C3_COL5_ROW4.1 P1_COL5_ROW4.1 R4_COL5_ROW4.2 S1_COL5_ROW4.1 U1_COL5_ROW4.5 U3_COL5_ROW4.5 | length 5774.5
  Top Layer w20: C3_COL5_ROW4.1@-2602,1659 -2602,1689 -2599.5,1691.5 U1_COL5_ROW4.5@-2599.5,1749 -2532,1749 S1_COL5_ROW4.1@-2387,1894 -2487,1894 -2497,1904 R4_COL5_ROW4.2@-2497,1934 ; C2_COL5_ROW4.1@-2486.5,6502 -2489,6504.5 U3_COL5_ROW4.5@-2489,6632 P1_COL5_ROW4.1@-2340.5,6632
  Bottom Layer w20: S1_COL5_ROW4.1@-2387,1894 -2478.5,1985.5 -2478.5,3444 -2219.5,3703 -2219.5,6603 -2248.5,6632 P1_COL5_ROW4.1@-2340.5,6632
VCC_COL5_ROW5: C2_COL5_ROW5.1 C3_COL5_ROW5.1 P1_COL5_ROW5.1 R4_COL5_ROW5.2 S1_COL5_ROW5.1 U1_COL5_ROW5.5 U3_COL5_ROW5.5 | length 5232.6
  Top Layer w20: C3_COL5_ROW5.1@-2601.5,1159 -2601.5,1189 -2599,1191.5 U1_COL5_ROW5.5@-2599,1249 -2531.5,1249 S1_COL5_ROW5.1@-2386.5,1394 -2486.5,1394 -2496.5,1404 R4_COL5_ROW5.2@-2496.5,1434 ; C2_COL5_ROW5.1@-2486.5,5513 -2489,5515.5 U3_COL5_ROW5.5@-2489,5643 P1_COL5_ROW5.1@-2340.5,5643
  Bottom Layer w20: S1_COL5_ROW5.1@-2386.5,1394 -2532.5,1540 -2532.5,4343 -2272.5,4603 -2272.5,5519 -2340.5,5587 P1_COL5_ROW5.1@-2340.5,5643
VCC_COL5_ROW6: C2_COL5_ROW6.1 C3_COL5_ROW6.1 P1_COL5_ROW6.1 R4_COL5_ROW6.2 S1_COL5_ROW6.1 U1_COL5_ROW6.5 U3_COL5_ROW6.5 | length 4754.4
  Top Layer w20: C3_COL5_ROW6.1@-2601.5,659 -2601.5,689 -2599,691.5 U1_COL5_ROW6.5@-2599,749 -2531.5,749 S1_COL5_ROW6.1@-2386.5,894 -2486.5,894 -2496.5,904 R4_COL5_ROW6.2@-2496.5,934 ; C2_COL5_ROW6.1@-2486.5,4524 -2489,4526.5 U3_COL5_ROW6.5@-2489,4654 P1_COL5_ROW6.1@-2340.5,4654
  Bottom Layer w20: S1_COL5_ROW6.1@-2386.5,894 -2337.5,943 -2337.5,1018 -2564.5,1245 -2564.5,4430 P1_COL5_ROW6.1@-2340.5,4654
VCC_COL6_ROW1: C2_COL6_ROW1.1 C3_COL6_ROW1.1 P1_COL6_ROW1.1 R4_COL6_ROW1.2 S1_COL6_ROW1.1 U1_COL6_ROW1.5 U3_COL6_ROW1.5 | length 7386.6
  Top Layer w20: C3_COL6_ROW1.1@-1524,3159 -1524,3189 -1521.5,3191.5 U1_COL6_ROW1.5@-1521.5,3249 -1454,3249 S1_COL6_ROW1.1@-1309,3394 -1409,3394 -1419,3404 R4_COL6_ROW1.2@-1419,3434 ; C2_COL6_ROW1.1@-1409,9469 -1411.5,9471.5 U3_COL6_ROW1.5@-1411.5,9599 P1_COL6_ROW1.1@-1263,9599
  Bottom Layer w20: S1_COL6_ROW1.1@-1309,3394 -1309,3449.5 -1087,3671.5 -1087,7199 -1489,7601 -1489,8217 -1347,8359 -1347,9013 -1212,9148 -1212,9412 -1263,9463 P1_COL6_ROW1.1@-1263,9599
VCC_COL6_ROW2: C2_COL6_ROW2.1 C3_COL6_ROW2.1 P1_COL6_ROW2.1 R4_COL6_ROW2.2 S1_COL6_ROW2.1 U1_COL6_ROW2.5 U3_COL6_ROW2.5 | length 6824.7
  Top Layer w20: C3_COL6_ROW2.1@-1524,2659 -1524,2689 -1521.5,2691.5 U1_COL6_ROW2.5@-1521.5,2749 -1454,2749 S1_COL6_ROW2.1@-1309,2894 -1409,2894 -1419,2904 R4_COL6_ROW2.2@-1419,2934 ; C2_COL6_ROW2.1@-1409,8480 -1411.5,8482.5 U3_COL6_ROW2.5@-1411.5,8610 P1_COL6_ROW2.1@-1263,8610
  Bottom Layer w20: S1_COL6_ROW2.1@-1309,2894 -1309,3083 -1247,3145 -1247,3367 -1030,3584 -1030,7226 -1354,7550 -1354,8028 -1222,8160 -1222,8479 -1263,8520 P1_COL6_ROW2.1@-1263,8610
VCC_COL6_ROW3: C2_COL6_ROW3.1 C3_COL6_ROW3.1 P1_COL6_ROW3.1 R4_COL6_ROW3.2 S1_COL6_ROW3.1 U1_COL6_ROW3.5 U3_COL6_ROW3.5 | length 6389.3
  Top Layer w20: C3_COL6_ROW3.1@-1524,2159 -1524,2189 -1521.5,2191.5 U1_COL6_ROW3.5@-1521.5,2249 -1454,2249 S1_COL6_ROW3.1@-1309,2394 -1409,2394 -1419,2404 R4_COL6_ROW3.2@-1419,2434 ; C2_COL6_ROW3.1@-1409,7491 -1411.5,7493.5 U3_COL6_ROW3.5@-1411.5,7621 P1_COL6_ROW3.1@-1263,7621
  Bottom Layer w20: S1_COL6_ROW3.1@-1309,2394 -1309,2576 -1191,2694 -1191,3346 -974,3563 -974,7531 -1064,7621 P1_COL6_ROW3.1@-1263,7621